# Altium PCB Main_Board.PcbDoc (part 1 of 3) (continued)
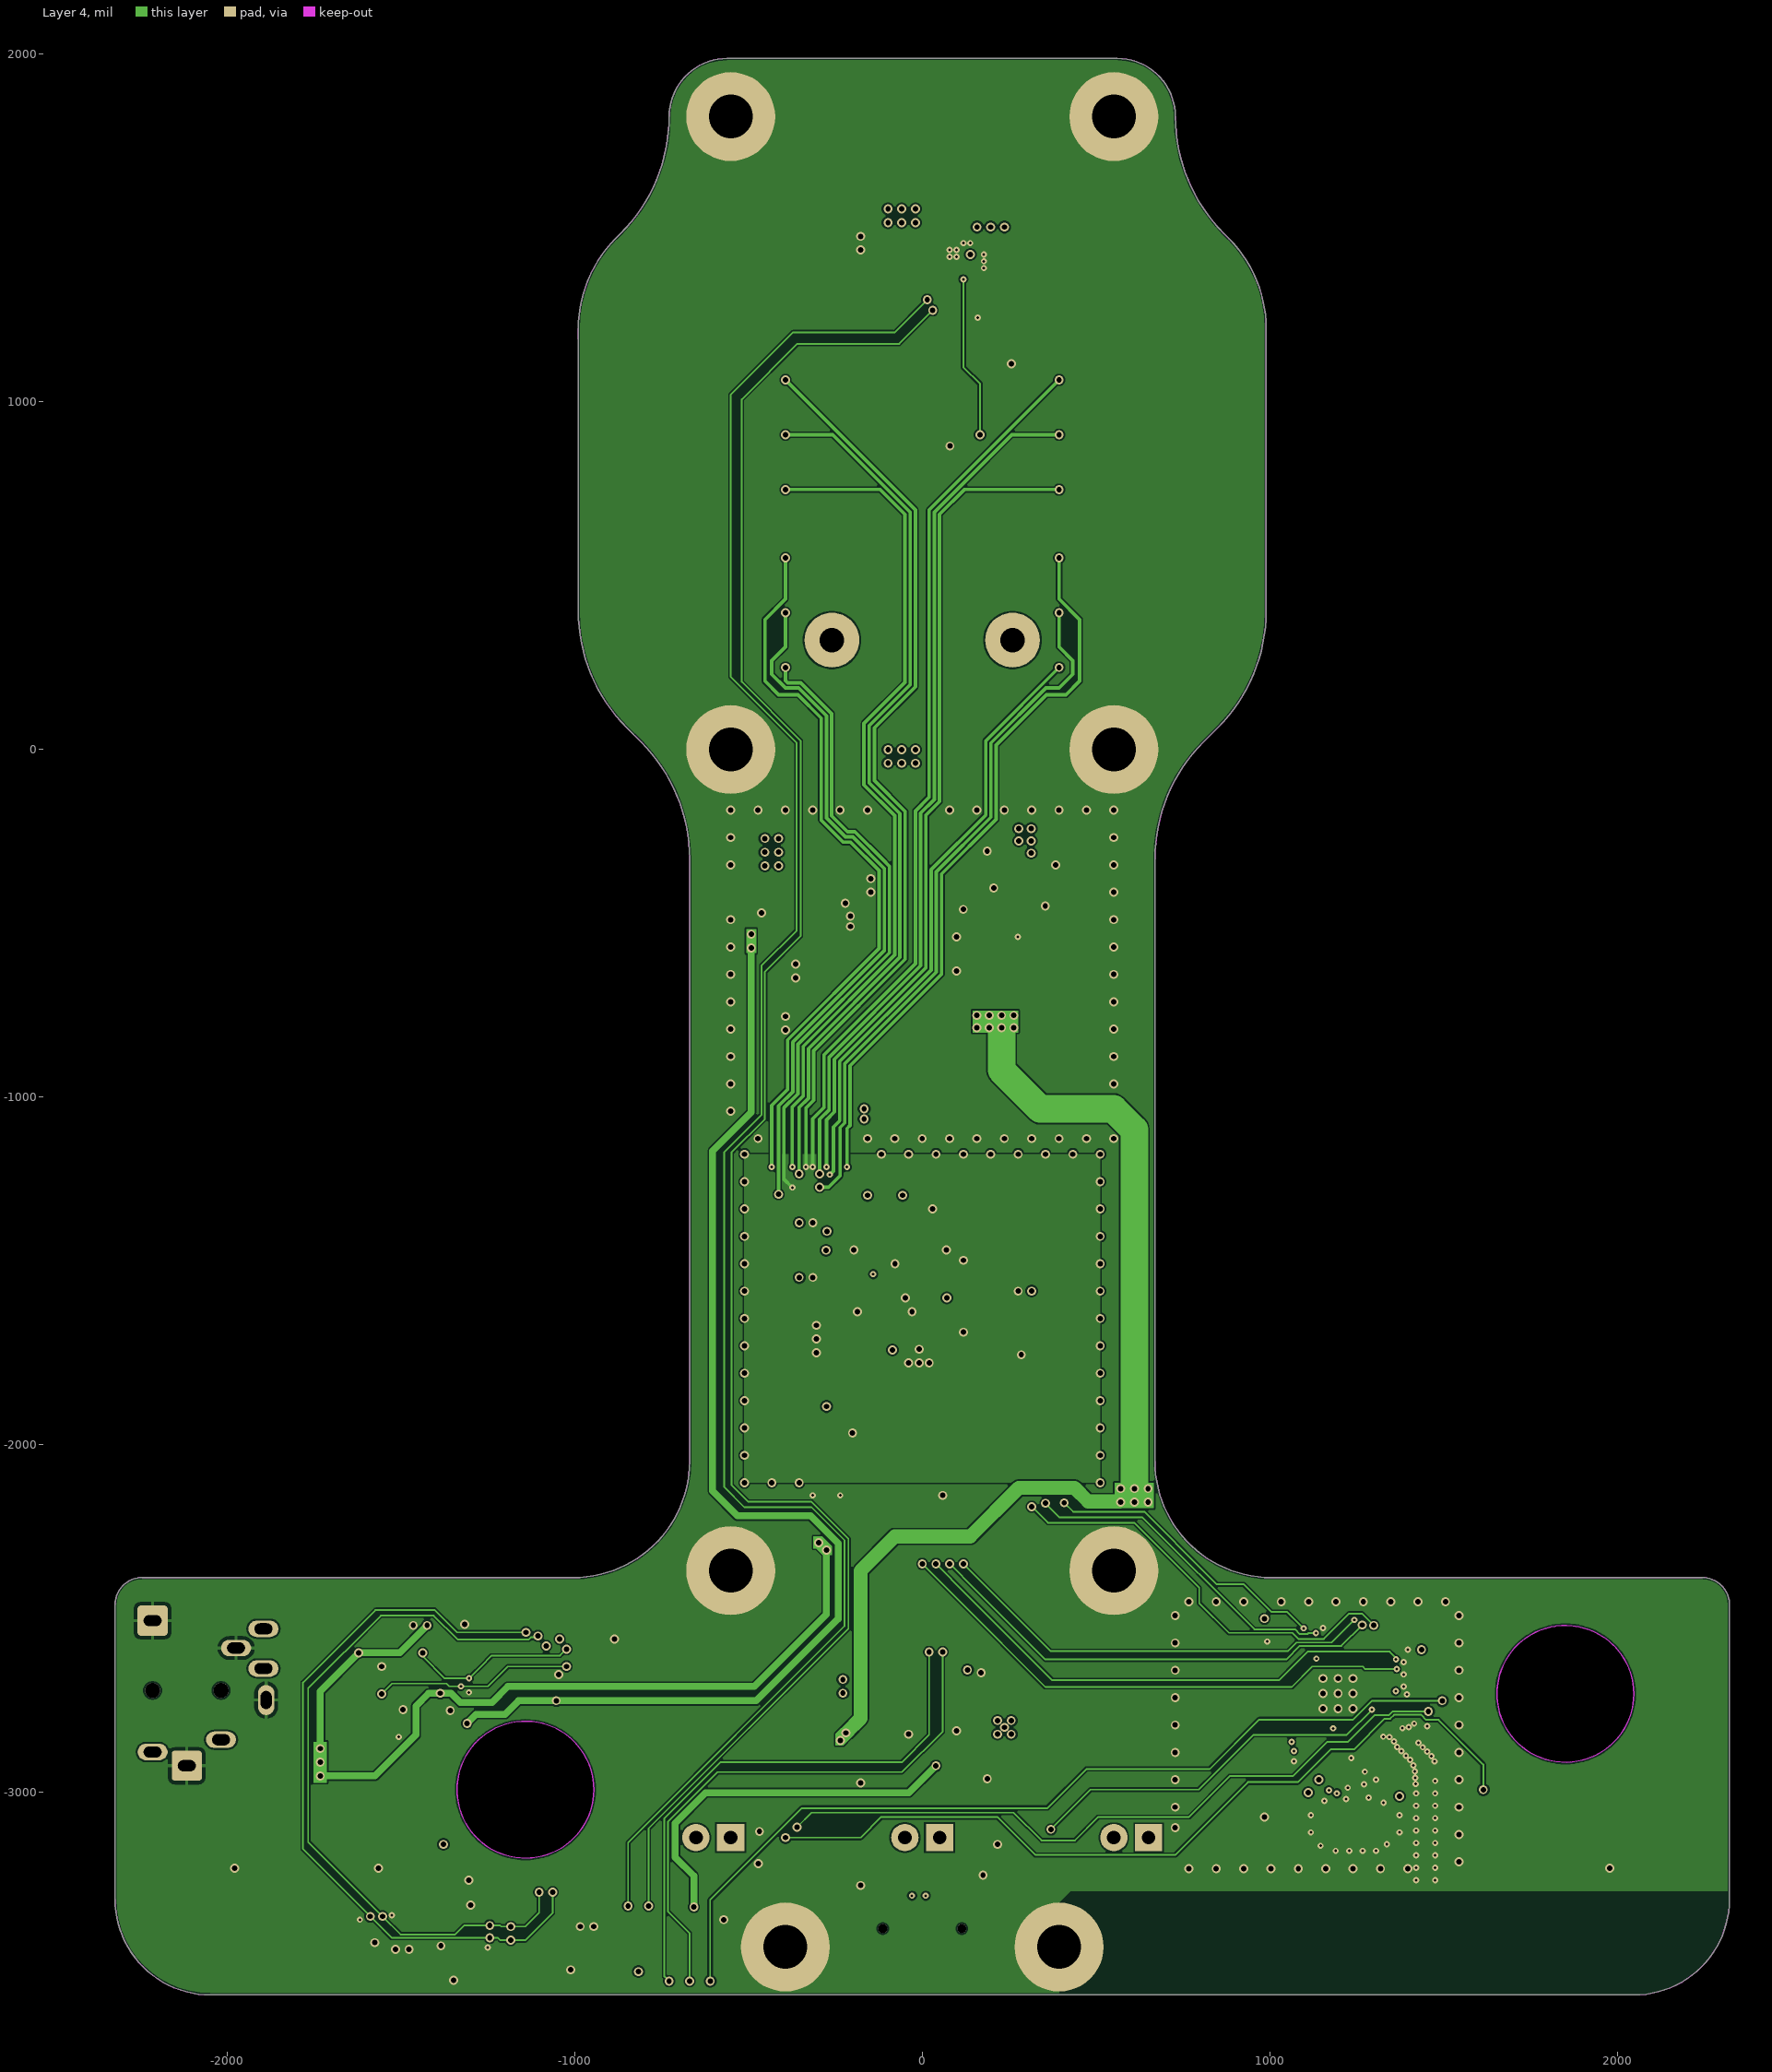
[diagram p3: Layer 4]
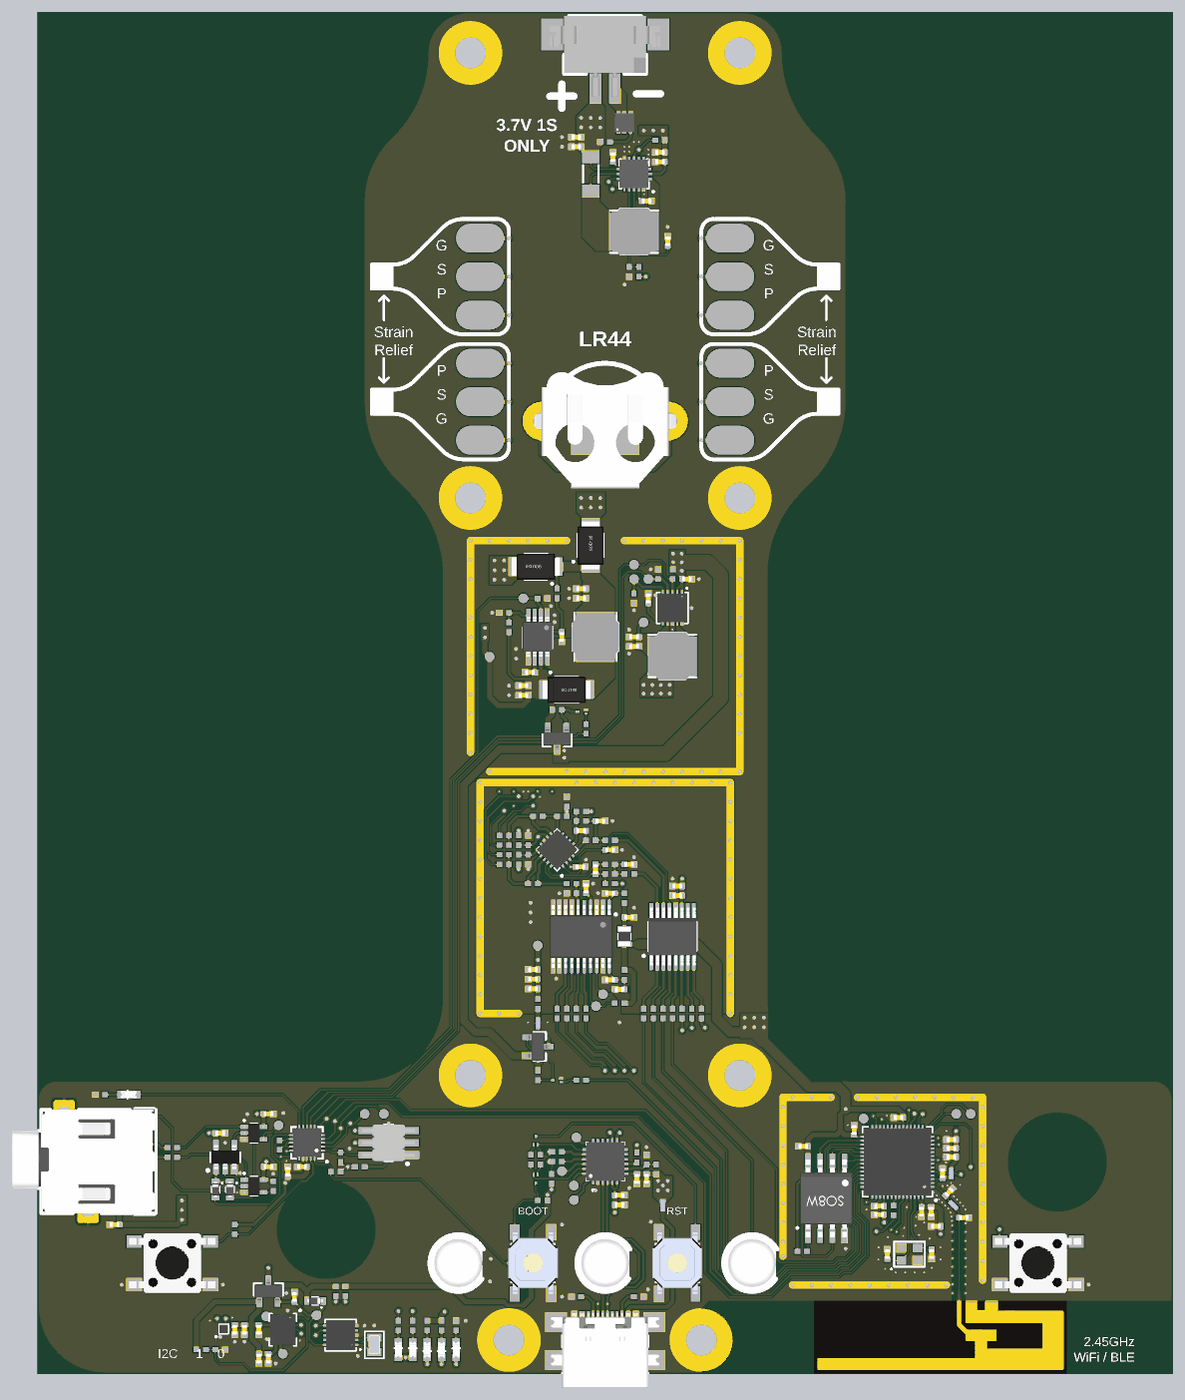
[diagram p6: 3D render of the assembled board from above, using the file's embedded part models]
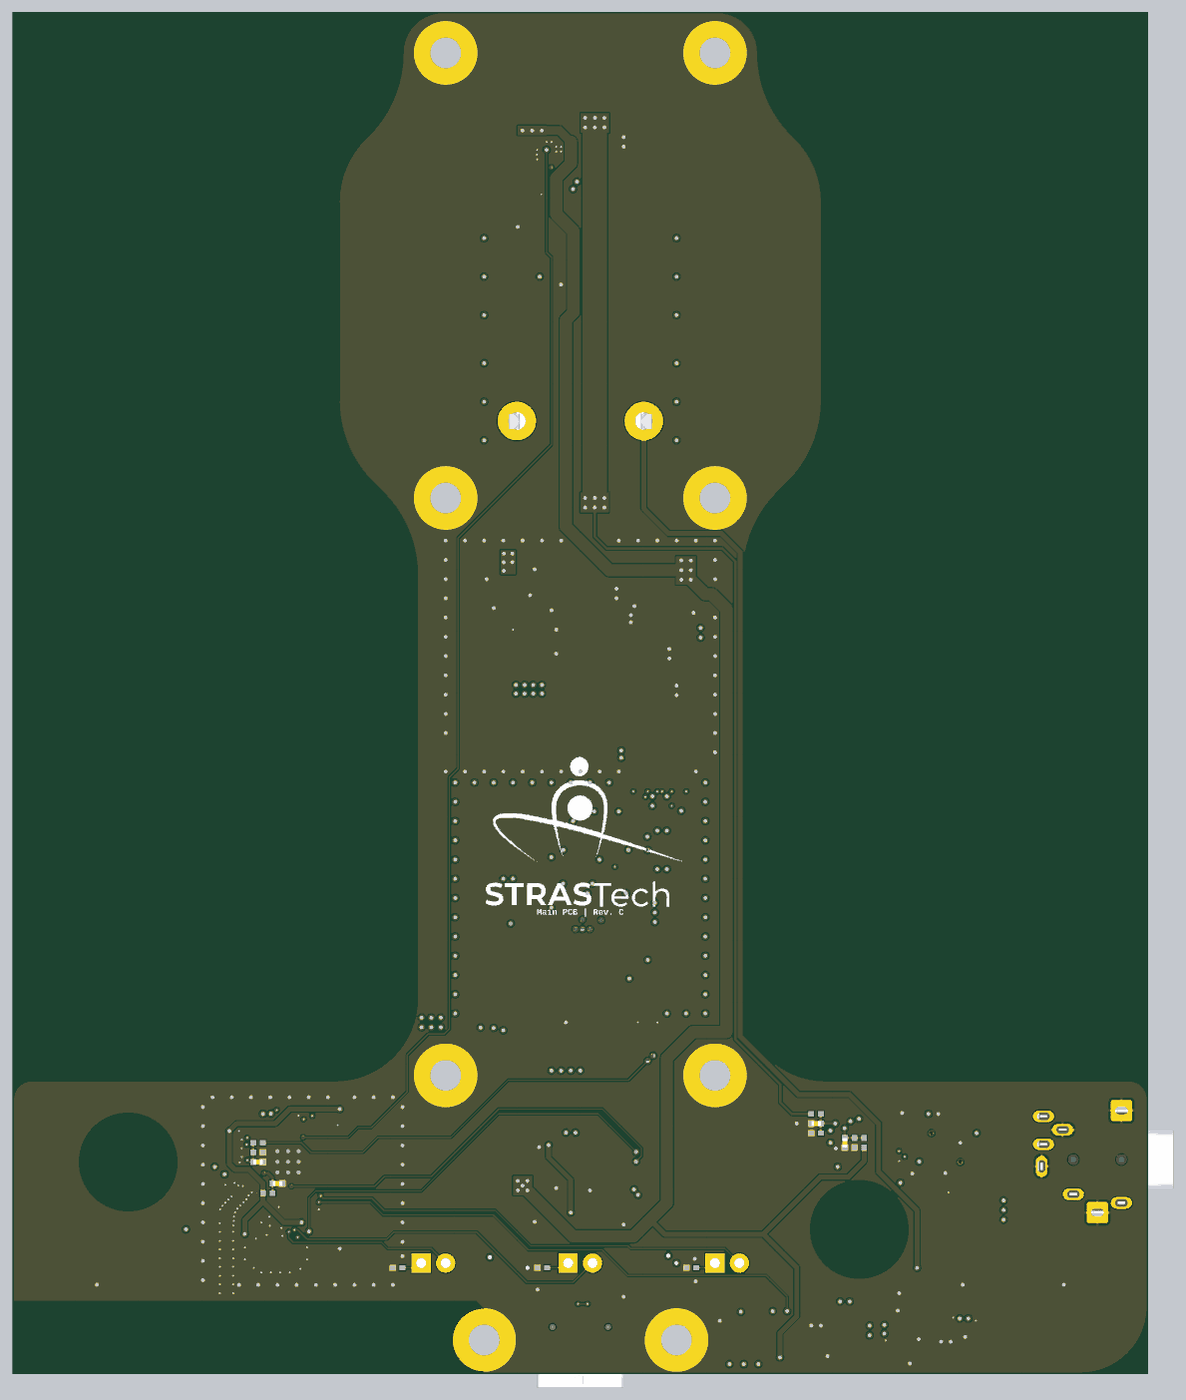
[diagram p7: 3D render of the assembled board from below, using the file's embedded part models]

## Layer stack, top to bottom
Top Solder: solder mask 0.4, Solder Resist, Dk 3.5
Top Layer: signal copper 1.4
Dielectric 2: prepreg 2.8, PP-006, Dk 4.1
Layer 1: signal copper 1.378
Dielectric 1: dielectric 12.6, FR-4, Dk 4.8
Layer 4: signal copper 1.378
Dielectric 5: prepreg 2.8, PP-006, Dk 4.1
Bottom Layer: signal copper 1.4
Bottom Solder: solder mask 0.4, Solder Resist, Dk 3.5

## Board outline
-2322.83,-3307.09 ccw(c-2047.24,-3307.09) -2047.24,-3582.68 2047.24,-3582.68 ccw(c2047.24,-3307.09) 2322.83,-3307.09 2322.83,-2460.63 ccw(c2244.09,-2460.63) 2244.09,-2381.89 1003.94,-2381.89 cw(c1003.94,-2047.24) 669.29,-2047.24 669.29,-314.96 cw(c1144.53,-314.96) 808.49,21.08 850.47,63.07 ccw(c514.43,399.11) 989.67,399.11 989.67,1181.1 989.67,1210.67 ccw(c622.65,1210.67) 882.17,1470.19 867.54,1484.82 cw(c1203.58,1820.87) 728.35,1820.87 ccw(c561.02,1820.87) 561.02,1988.19 -561.02,1988.19 ccw(c-561.02,1820.87) -728.35,1820.87 cw(c-1203.58,1820.87) -867.54,1484.82 -882.17,1470.19 ccw(c-622.65,1210.67) -989.67,1210.67 -989.67,1181.1 -989.67,399.11 ccw(c-514.43,399.11) -850.47,63.07 -808.49,21.08 cw(c-1144.53,-314.96) -669.29,-314.96 -669.29,-2047.24 cw(c-1003.94,-2047.24) -1003.94,-2381.89 -2244.09,-2381.89 ccw(c-2244.09,-2460.63) -2322.83,-2460.63
cut-out: 2047.24,-2716.54 cw(c1850.4,-2716.54) 1850.39,-2913.39 cw(c1850.39,-2716.54) 1653.54,-2716.53 cw(c1850.39,-2716.53) 1850.39,-2519.68 cw(c1850.4,-2716.53)
cut-out: -944.88,-2992.13 cw(c-1141.73,-2992.13) -1141.73,-3188.98 cw(c-1141.73,-2992.13) -1338.58,-2992.13 cw(c-1141.73,-2992.13) -1141.73,-2795.28 cw(c-1141.73,-2992.12)

## Design rules (kind name [scope] priority, off if disabled: settings)
Clearance Clearance_GND [InNet('GND')] p1: gap=5 ignorepadtopadclearanceinfootprint=FALSE except(0: Arc-Hole Track-Hole SMDPad-Hole THPad-Hole Via-Hole Fill-Hole Poly-Hole Region-Hole Text-Hole)
Clearance Clearance_1 [All] p2: gap=5 ignorepadtopadclearanceinfootprint=FALSE except(0: Arc-Hole Track-Hole SMDPad-Hole THPad-Hole Via-Hole Fill-Hole Poly-Hole Region-Hole Text-Hole)
ComponentClearance [All] p1: gap=0.39 collisioncheckmode=3 verticalgap=10 showdistances=FALSE
DiffPairsRouting [All] p1: maxlimit=10 minlimit=10 mostfreqgap=10 toplayer_minwidth=8 toplayer_maxwidth=8 toplayer_prefwidth=8 midlayer1_minwidth=8 midlayer1_maxwidth=8 midlayer1_prefwidth=8 midlayer2_minwidth=8 midlayer2_maxwidth=8 midlayer2_prefwidth=8 bottomlayer_minwidth=8 bottomlayer_maxwidth=8 bottomlayer_prefwidth=8 maxuncoupledlength=500
HoleSize [All] p1: absolutevalues=TRUE maxlimit=393.7 minlimit=1 maxpercent=80.000 minpercent=20.000
MinimumAnnularRing [All] p1: minimumring=5.12
MinimumSolderMaskSliver [All] p1: minsoldermaskwidth=0
PolygonConnect [All] p1: connectstyle=Direct reliefconductorwidth=10 reliefentries=4 polygonreliefangle="90 Angle" airgapwidth=10
RoutingVias [All] p1: holewidth=7.87 width=18.11 viastyle="Through Hole" minholewidth=7.87 minwidth=18.11 maxholewidth=196.85 maxwidth=393.7
ShortCircuit [InNet('NetANT500_1') vs InNet('GND')] p1: allowed=TRUE
SilkToSilkClearance [All] p1: silktosilkclearance=0
SilkToSolderMaskClearance [IsPad] p1: minsilkscreentomaskgap=0 clearancetoexposedcopper=TRUE
SolderMaskExpansion [All] p1: expansion=1.97 istentingtop=FALSE
UnRoutedNet [All] p1: checkbadconnections=TRUE
Width Width_50R [InNetClass('50R') OR InNetClass('ESP_ANT')] p1: maxlimit=5.78 minlimit=5.78 preferedwidth=5.78
Width [All] p2: maxlimit=500 minlimit=5 preferedwidth=10
22 further rules are at their usual default settings.

## Classes and differential pairs
component class Peripherals_Main_Board: D400 D401 D402 J400 J401 J402 J403 R400 R401 R402 R403 R404 SW400 SW401
net class ESP_ANT: NetC500_2
net class 50R: NetANT500_1
component class USB_Serial: C800 C801 C802 C803 D800 D801 J800 L800 Q800 Q801 R800 R801 R802 R803 R804 R805 R806 R807 R808 R809 R810 TP800 TP801 TP802 TP803 U800
component class ShinStrap_Interface: C700 C701 C702 C703 C706 C707 D700 D701 D702 J700 J701 ms R700 R701 R702 R703 R704 R705 R708 TP700 U700 U701 U702 U703
component class Regulation_Charging: C600 C601 C602 C603 C604 C606 C607 C608 C609 C610 C611 C612 C613 C614 C615 C616 C618 C619 C620 C621 C622 C623 C624 D600 D601 D602 D603 D604 J600 L600 L601 L602 L603 Q600 Q601 Q602 Q603 Q604 R600 R601 R602 R603 R604 R605 R606 R607 R608 R609 R610 R611 R612 R613 R614 R615 R616 R617 R618 R619 R620 R621 R622 R623 R624 TP600 TP601 TP602 TP603 TP604 TP605 TP606 TP607 TP608 TP609 U600 U601 U602
component class Processor: ANT500 C500 C501 C502 C503 C504 C505 C506 C507 C508 C509 C510 C511 C512 C513 C514 C515 C516 D500 L500 L501 R500 R501 R502 R503 R504 R505 SW500 SW501 TP500 TP501 U500 U501 Y500
component class Load_Cell_Biasing: C300 C301 C302 C303 C304 C305 C306 C307 J? R300 R301 R302 R303 R304 R305 R306 R307 R308 R309 R310 R311 R312 U200 U300
component class Load_Cell_Acquisition: C200 C201 C202 C203 C204 L200 NT200 R200 R201 R202 R203 R204 R205 R206 R207 R208 R209 R210 R211 R212 R213 R214 R215 R216 R217 R218 R219 R220 R221 R222 TP200 TP201 U201
component class Inertial_Measurement_RTC: B100 C100 C101 C102 C103 C104 C105 D100 Q100 R100 R101 R102 R103 TP100 TP101 TP102 U100 U101 U102 Y100
differential pair CP2102_USB: +CP2102_USB_P -CP2102_USB_N

## Components (designator, comment, footprint, x,y, rotation, side; value= is the part's Value field where it differs from the comment)
ANT500 "2.45GHz" ANT,PCB,IFA,2.45GHZ 1448.24,-3282.4 r180 top
B100 "LR44" HOLDER,CELL,LR44,PCB,THRU 0,314.96 r180 top
C100 "100nF" CAP,SMD,0402 -1515.95,-3402.7 r270 top
C101 "1uF" CAP,SMD,0402 -1476.58,-3402.7 r90 top
C102 "100nF" CAP,SMD,0402 -1378.15,-3520.81 r90 top
C103 "1uF" CAP,SMD,0402 -1417.52,-3520.81 r90 top
C104 "100nF" CAP,SMD,0402 -1417.52,-3402.7 r90 top
C105 "10uF" Cap,SMD,0402 -1271.73,-3268.84 r90 top
C200 "100nF" CAP,SMD,0402 19.88,-1616.99 r0 top
C201 "10uF" CAP,SMD,0402 98.62,-1715.41 r0 top
C202 "100nF" CAP,SMD,0402 19.88,-1971.32 r0 top
C203 "10uF" Cap,SMD,0402 59.25,-2010.69 r180 top
C204 "10uF" CAP,SMD,0402 -78.54,-1597.3 r270 top
C300 "100nF" CAP,SMD,0402 -101.23,-1509.13 r180 top
C301 "100nF" CAP,SMD,0402 295.47,-1626.83 r0 top
C302 "10uF" CAP,SMD,0402 295.47,-1587.46 r0 top
C303 "100nF" CAP,SMD,0402 -39.17,-1518.56 r270 top
C304 "100nF" CAP,SMD,0402 98.62,-1498.88 r180 top
C305 "10uF" CAP,SMD,0402 19.88,-1439.82 r0 top
C306 "100nF" CAP,SMD,0402 -98.23,-1361.08 r180 top
C307 "100nF" CAP,SMD,0402 -19.49,-1321.71 r180 top
C500 "4.8pF" CAP,SMD,0402 1407.04,-2839.52 r225 top
C501 "3.9pF" CAP,SMD,0402 1467.93,-2943.99 r180 top
C502 "100nF" CAP,SMD,0402 1200.21,-2534.54 r0 top
C503 "100nF" CAP,SMD,0402 1019.11,-2585.72 r270 top
C504 "1uF" CAP,SMD,0402 1121.47,-2932.18 r0 top
C505 "100nF" CAP,SMD,0402 1121.47,-2896.75 r0 top
C506 "10uF" CAP,SMD,0402 1416.74,-2625.09 r0 top
C507 "1uF" CAP,SMD,0402 1416.74,-2660.53 r0 top
C508 "100nF" CAP,SMD,0402 1416.74,-2695.96 r0 top
C509 "100nF" CAP,SMD,0402 1381.31,-2762.89 r270 top
C510 "1uF" CAP,SMD,0402 1353.75,-2979.42 r0 top
C511 "100pF" CAP,SMD,0402 1294.7,-2920.37 r90 top
C512 "100pF" CAP,SMD,0402 1334.07,-2920.37 r90 top
C513 "12pF" CAP,SMD,0402 1336.03,-3093.6 r270 top
C514 "12pF" CAP,SMD,0402 1154.93,-3093.6 r90 top
C515 "1uF" CAP,SMD,0402 1239.58,-2804.75 r0 bottom
C516 "100nF" CAP,SMD,0402 810.44,-2652.65 r0 top
C600 "100nF" CAP,SMD,0402 169.39,1214.87 r180 top
C601 "4.8pF" CAP,SMD,0402 -177.36,-568.05 r270 top
C602 "100nF" Cap,SMD,0402 -308.27,-713.23 r180 top
C603 "10uF" Cap,SMD,0402 -334.65,-807.09 r0 top
C604 "10uF" Cap,SMD,0402 -334.65,-767.72 r0 top
C606 "10uF" CAP,SMD,0402 -98.62,-410.57 r0 top
C607 "10uF" CAP,SMD,0402 -98.62,-371.2 r0 top
C608 "10uF" CAP,SMD,0402 224.61,1414.06 r0 top
C609 "10uF" CAP,SMD,0402 224.61,1374.69 r0 top
C610 "10uF" Cap,SMD,0402 -118.11,1476.38 r0 top
C611 "10uF" CAP,SMD,0402 -118.11,1437.01 r0 top
C612 "1uF" Cap,SMD,0402 256.1,1050.34 r90 top
C613 "1uF" Cap,SMD,0402 31.76,1394.37 r270 top
C614 "10uF" CAP,SMD,0402 334.45,-331.83 r180 top
C615 "10uF" CAP,SMD,0402 117.91,-568.05 r0 top
C616 "10uF" CAP,SMD,0402 117.91,-607.42 r0 top
C618 "10uF" Cap,SMD,0402 -295.28,-2007.87 r0 top
C619 "10uF" Cap,SMD,0402 -295.28,-1968.5 r0 top
C620 "10uF" Cap,SMD,0402 -295.28,-1929.13 r0 top
C621 "100nF" CAP,SMD,0402 176.97,-410.57 r270 top
C622 "100nF" Cap,SMD,0402 1318.9,-2716.53 r180 bottom
C623 "100nF" Cap,SMD,0402 -964.57,-2559.06 r0 bottom
C624 "100nF" Cap,SMD,0402 -1082.68,-2637.8 r90 bottom
C700 "100nF" Cap,SMD,0402 -1574.8,-2598.43 r180 top
C701 "1uF" CAP,SMD,0402 -1299.21,-2755.91 r270 top
C702 "100nF" CAP,SMD,0402 -1240.15,-2736.22 r0 top
C703 "10uF" CAP,SMD,0402 -2007.87,-2972.44 r0 top
C706 "100nF" Cap,SMD,0402 -1377.95,-2736.22 r0 top
C707 "100nF" Cap,SMD,0402 -1377.95,-2519.68 r180 top
C800 "4.7uF" CAP,SMD,0402 169.29,-2785.41 r90 top
C801 "100nF" CAP,SMD,0402 129.92,-2785.41 r90 top
C802 "4.7uF" CAP,SMD,0402 59.06,-2891.71 r180 top
C803 "100nF" CAP,SMD,0402 59.06,-2852.34 r180 top
D100 "1N4148WT" SOD523 -1187.21,-3284.59 r180 top
D400 "Red" LED,5MM,THRU -601.18,-3129.92 r0 top
D401 "Red" LED,5MM,THRU 0,-3129.92 r0 top
D402 "Red" LED,5MM,THRU 601.18,-3129.92 r0 top
D500 "Green" LED,0603 -610.24,-3484.25 r90 top
D600 "Green" LED,0603 -846.46,-3484.25 r90 top
D601 "Green" LED,0603 -787.4,-3484.25 r90 top
D602 "PMEG4030EP,115" SOD128 -283.66,-280.65 r180 top
D603 "PMEG4030EP,115" SOD128 -59.25,-194.04 r90 top
D604 "PMEG4030EP,115" SOD128 -157.68,-784.59 r0 top
D700 "1N4148WT" SOD523 -1535.43,-2828.74 r270 top
D701 "1N4148WT" SOD523 -1594.49,-2828.74 r270 top
D702 "Green" LED,0603 -1948.82,-2440.94 r180 top
D800 "Green" LED,0603 -669.29,-3484.25 r270 top
D801 "Green" LED,0603 -728.35,-3484.25 r270 top
J400 "Term,Pad,3Pos,SMD" Term,Pad,3Pos,SMD -511.81,905.51 r270 top
J401 "Term,Pad,3Pos,SMD" Term,Pad,3Pos,SMD 511.81,905.51 r90 top
J402 "Term,Pad,3Pos,SMD" Term,Pad,3Pos,SMD -511.81,393.7 r270 top
J403 "Term,Pad,3Pos,SMD" Term,Pad,3Pos,SMD 511.81,393.7 r90 top
J600 "Conn,JST,2Pin,2mm,SMD" Conn,JST,2Pin,2mm,SMD -0.2,1676.04 r0 top locked
J700 "Term,Header,3x2 Pin,1.27mm,SMD" TERM,HEADER,3X2PIN,P1.27,SMD -885.83,-2637.8 r180 top
J701 "Conn,Jack,TRS,3.5mm,Thru,Shielded" CONN,JACK,TRS,3.5MM,THRU,SHIELDED -2309.06,-2706.69 r0 top locked
J800 "USB" CONN,USB_C,SMD 0,-3391.71 r0 top
L200 "4.7uH" IND,0805 78.94,-1794.15 r270 top
L500 "1.8nH" IND,0402 1424.62,-2892.81 r315 top
L501 "2.7nH" IND,0402 1416.74,-2762.89 r270 top
L600 "4.7uH" IND,WIREWOUND,4.9X4.9,SMD -39.57,-568.05 r270 top
L601 "4.7uH" IND,WIREWOUND,4.9x4.9,SMD 118.31,1089.71 r180 top
L602 "4.7uH" IND,WIREWOUND,4.9X4.9,SMD 275.39,-646.79 r180 top
L603 "470R" IND,0402 -275.39,-2148.48 r90 top
L800 "470R" IND,0402 236.22,-2893.7 r90 top
NT200 "Net Tie" "Net Tie,20x60mil" -8.66,-1794.15 r90 top net-tie
Q100 "DMP2160U-7" SOT23-3 -1378.15,-3245.22 r90 top
Q600 "DMP2160U-7" SOT23-3 -275.59,-2244.09 r0 top
Q601 "DMP2160U-7" SOT23-3 -196.85,-984.25 r270 top
Q602 "NST3904F3T5G" SOT1123 -196.85,-2381.89 r180 top
Q603 "NST3904F3T5G" SOT1123 -95.67,-873.62 r180 top
Q604 "PMPB25ENEX" IC,WDFN-6,P0.65 78.74,1535.43 r0 top
Q800 "NST3904F3T5G" SOT1123 -284.45,-2627.93 r90 top
Q801 "NST3904F3T5G" SOT1123 -284.45,-2785.41 r270 top
R100 "0R" RES,0402 -1653.54,-3484.25 r0 top
R101 "2k55" RES,0402 -1063.19,-3245.22 r90 top
R102 "2k55" RES,0402 -1102.56,-3245.22 r90 top
R103 "0R" RES,0402 -1574.8,-3484.25 r180 top
R200 "1k" RES,0402 -354.13,-1479.19 r270 top
R201 "1k" RES,0402 -413.19,-1459.51 r180 top
R202 "1k" RES,0402 -413.19,-1498.88 r180 top
R203 "300k" RES,0402 -295.08,-1577.62 r180 top
R204 "560R" RES,0402 -137.6,-1577.62 r180 top
R205 "10R" RES,0402 78.94,-1636.67 r270 top
R206 "10k" RES,0402 19.88,-1577.62 r0 top
R207 "1k" RES,0402 -314.76,-1479.19 r90 top
R208 "10R" RES,0402 78.94,-1951.63 r90 top
R209 "10k" RES,0402 59.06,-2066.93 r0 top
R210 "10R" RES,0402 -196.65,-2109.11 r90 top
R211 "10R" RES,0402 -157.28,-2109.11 r90 top
R212 "10R" RES,0402 -117.91,-2109.11 r90 top
R213 "10R" RES,0402 -78.54,-2109.11 r90 top
R214 "1k" RES,0402 -354.13,-1400.45 r90 top
R215 "1k" RES,0402 -413.19,-1380.77 r180 top
R216 "1k" RES,0402 -413.19,-1420.14 r180 top
R217 "300k" RES,0402 -275.39,-1302.03 r180 top
R218 "560R" RES,0402 -176.97,-1302.03 r180 top
R219 "1k" RES,0402 -157.28,-1242.97 r90 top
R220 "1k" RES,0402 -137.6,-1616.99 r180 top
R221 "10k" RES,0402 -98.23,-1282.34 r0 top
R222 "1k" RES,0402 -314.76,-1400.45 r270 top
R300 "10k" RES,0402 19.88,-1538.25 r0 top
R301 "10R" RES,0402 157.68,-2109.11 r90 top
R302 "10R" RES,0402 197.05,-2109.11 r90 top
R303 "10R" RES,0402 236.42,-2109.11 r90 top
R304 "10k" RES,0402 98.62,-1538.25 r180 top
R305 "10k" RES,0402 19.88,-1498.88 r180 top
R306 "10R" RES,0402 315.16,-2109.11 r90 top
R307 "10R" RES,0402 275.79,-2109.11 r90 top
R308 "10R" RES,0402 393.9,-2109.11 r90 top
R309 "10R" RES,0402 354.53,-2109.11 r90 top
R310 "10k" RES,0402 -98.23,-1321.71 r0 top
R311 "10k" RES,0402 19.88,-1400.45 r180 top
R312 "10k" RES,0402 -58.86,-1400.45 r180 top
R400 "10k" RES,0402 -1102.36,-2755.91 r180 top
R401 "10k" RES,0402 -1515.75,-2992.13 r270 top
R402 "150R" RES,0402 -454.33,-3149.61 r0 bottom
R403 "150R" RES,0402 155.91,-3149.61 r0 bottom
R404 "150R" RES,0402 748.03,-3149.61 r0 bottom
R500 "10k" RES,0402 -219.5,-2784.8 r270 top
R501 "499R" RES,0402 1180.52,-2914.46 r270 top
R502 "10k" RES,0402 -255.91,-2874.02 r180 top
R503 "10k" RES,0402 1278.95,-2844.12 r180 bottom
R504 "150R" RES,0402 -610.24,-3385.83 r90 top
R505 "10k" RES,0402 806.51,-3081.79 r180 top
R600 "300k" RES,0402 -964.57,-2519.68 r0 bottom
R601 "300k" RES,0402 -964.57,-2598.43 r180 bottom
R602 "560R" RES,0402 -846.46,-3385.83 r90 top
R603 "560R" RES,0402 -787.4,-3385.83 r90 top
R604 "10k" RES,0402 -1161.42,-2637.8 r270 bottom
R605 "50m" RES,1206 -58.86,1325.93 r90 top
R606 "150k" RES,0402 -197.05,-389.9 r90 top
R607 "300k" RES,0402 -393.9,-528.68 r270 top
R608 "10k" RES,0402 224.6,1463.72 r180 top
R609 "10k" RES,0402 -1122.05,-2637.8 r90 bottom